# Altium PCB PCB1.PcbDoc
Units mm, origin at the board's own origin, x right, y up, seen from the top; angles counter-clockwise.
Board outline 120 x 80 mm, 2 copper layers (Top Layer, Bottom Layer); 60 components, 44 nets, 220 pads, 0 vias.
Unrouted connection lines stored in the file: 9.
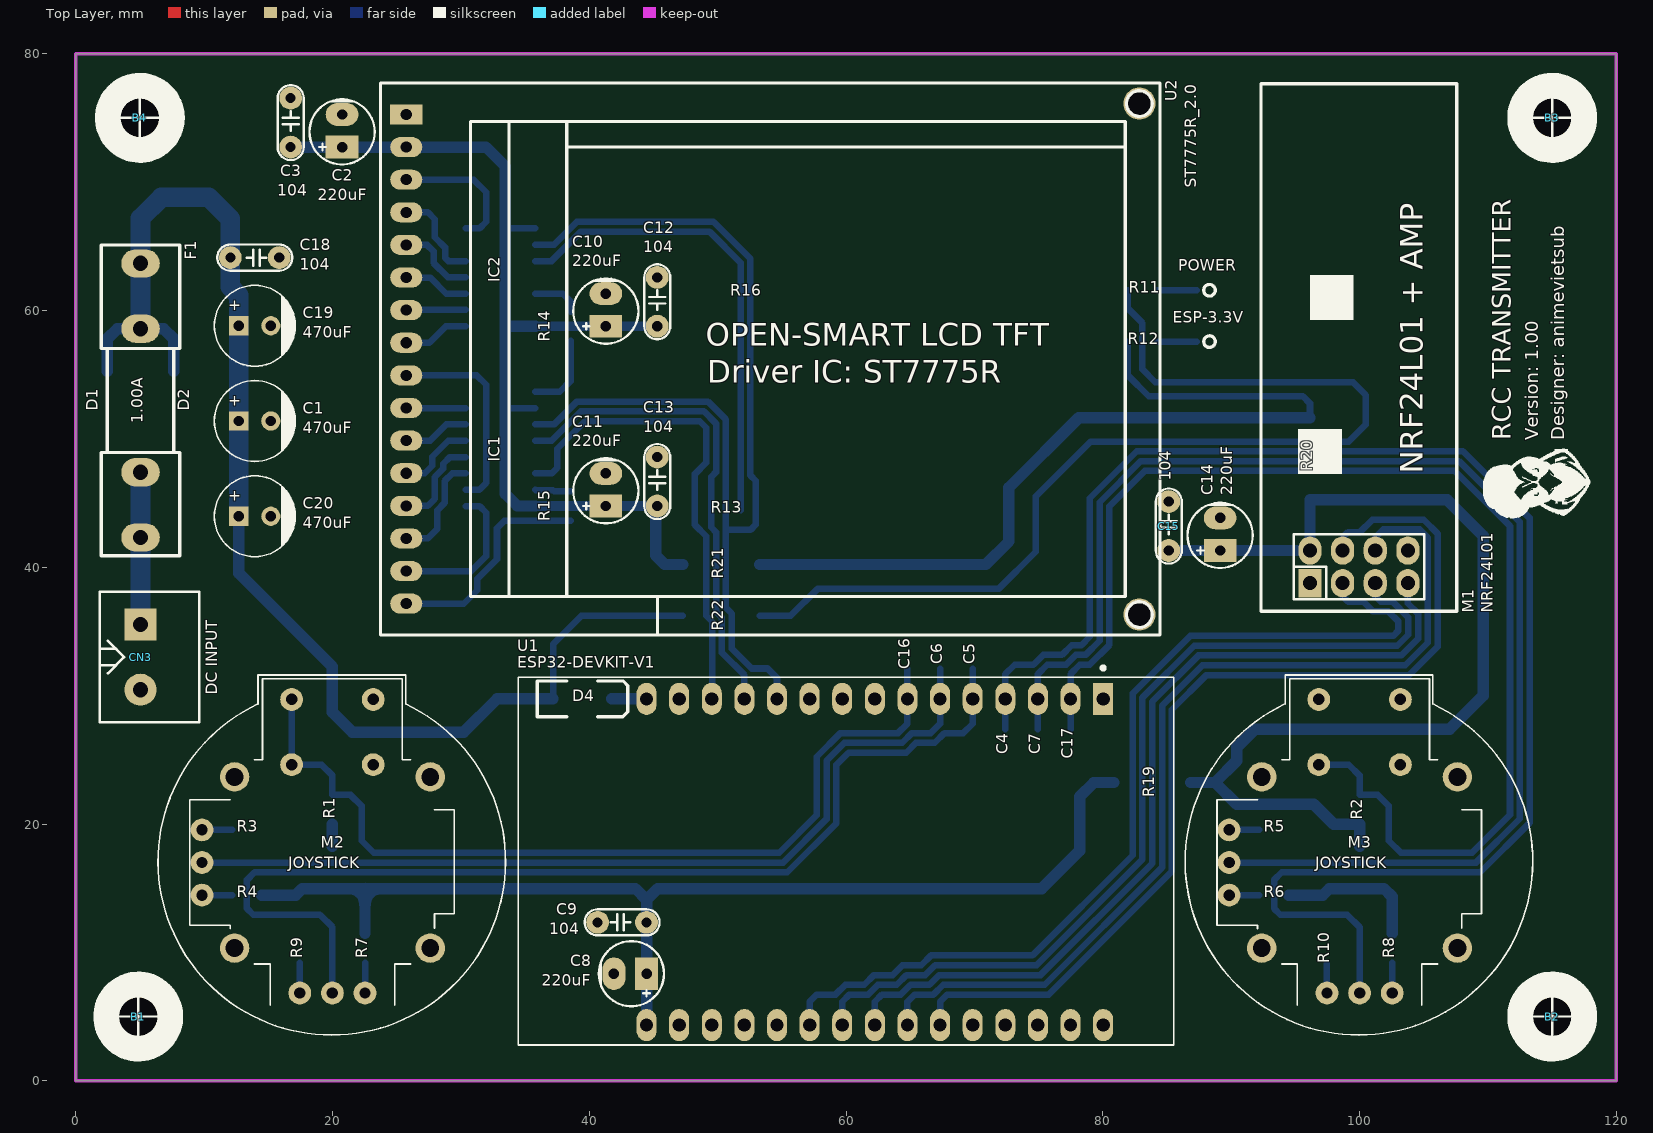
[diagram p0: Top Layer view]
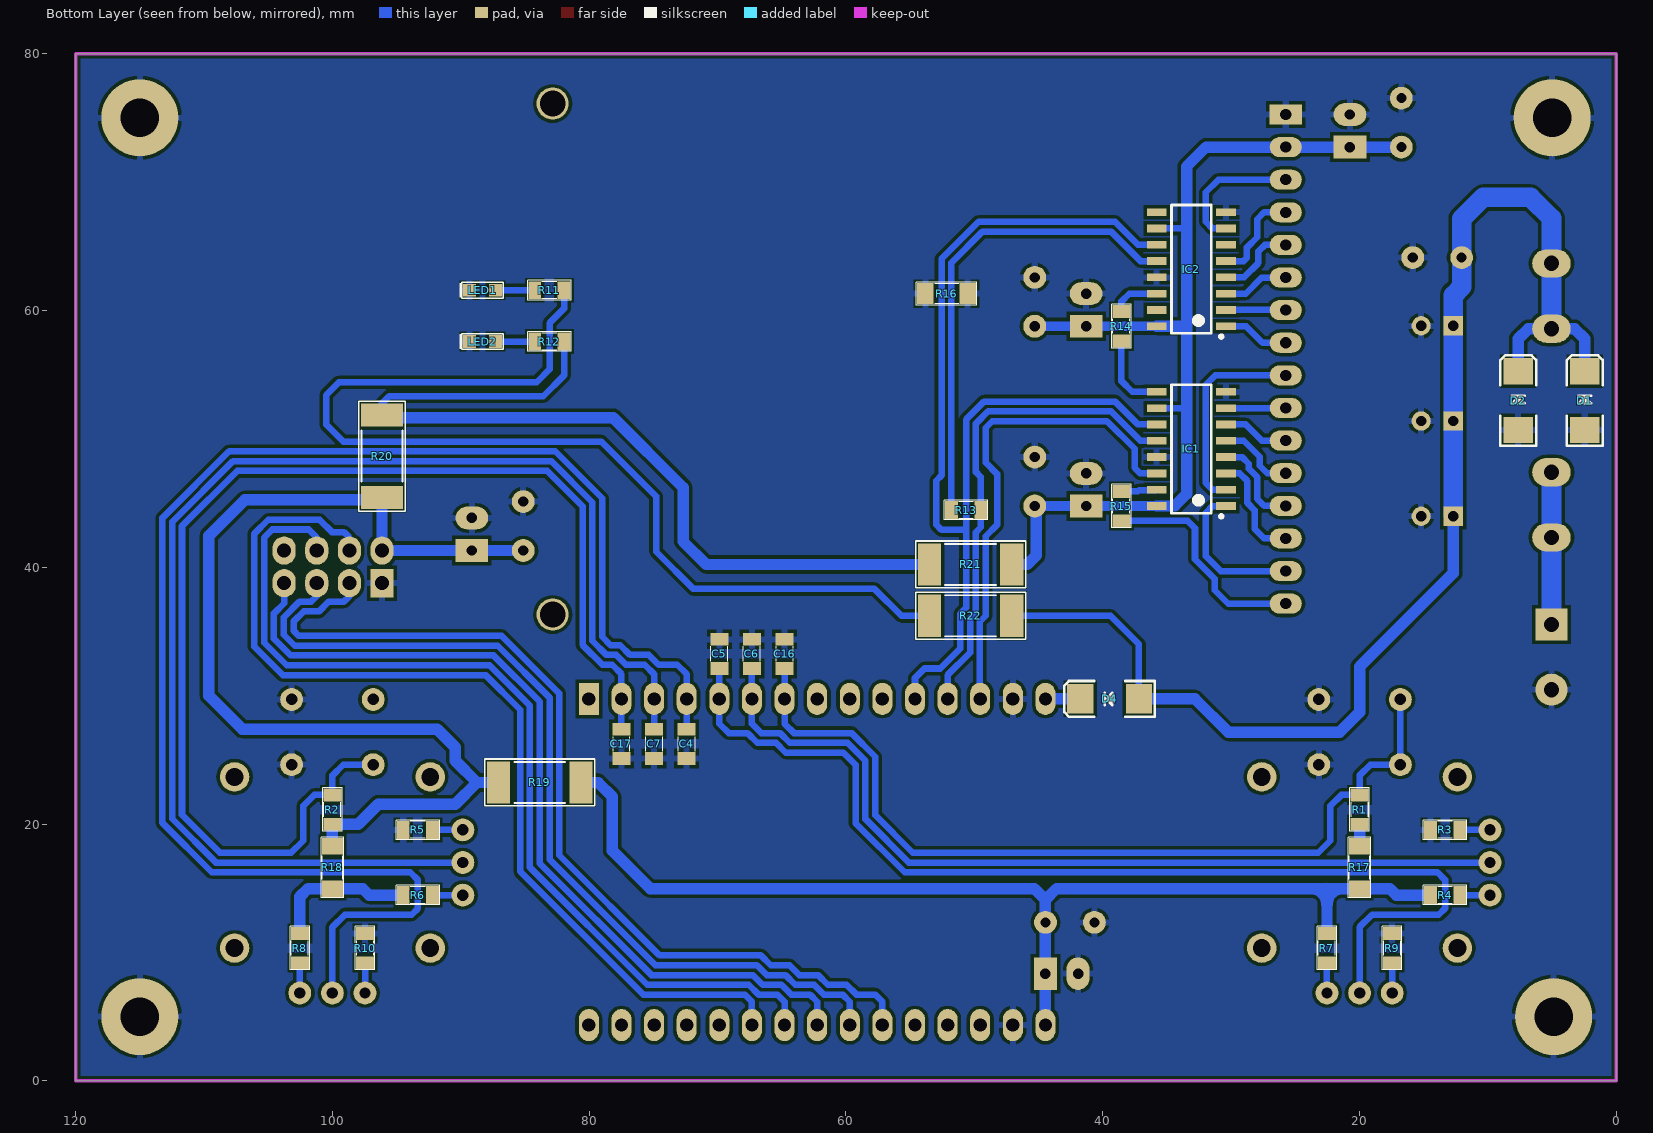
[diagram p1: Bottom Layer view, seen from below]

## Layer stack, top to bottom
Top Solder: solder mask 0.0102, Solder Resist, Dk 3.5
Top Layer: signal copper 0.0356
Dielectric 1: dielectric 0.32, FR-4, Dk 4.8
Bottom Layer: signal copper 0.0356
Bottom Solder: solder mask 0.0102, Solder Resist, Dk 3.5

## Board outline
0,0 120,0 120,80 0,80

## Design rules (kind name [scope] priority, off if disabled: settings)
Clearance [All] p1: gap=0.254 ignorepadtopadclearanceinfootprint=FALSE except(0: Arc-Hole Track-Hole SMDPad-Hole THPad-Hole Via-Hole Fill-Hole Poly-Hole Region-Hole Text-Hole)
PolygonConnect [All] p1: connectstyle=Relief reliefconductorwidth=0.508 reliefentries=4 polygonreliefangle="90 Angle" airgapwidth=0.254
RoutingVias [All] p1: holewidth=0.711 width=1.27 viastyle="Through Hole" minholewidth=0.711 minwidth=1.27 maxholewidth=0.711 maxwidth=1.27
SolderMaskExpansion [All] p1: expansion=0.102
Width [All] p1: maxlimit=1.524 minlimit=0.508 preferedwidth=0.889 minimp=50.000000 maximp=50.000000 favimp=50.000000
30 further rules are at their usual default settings.

## Components (designator, comment, footprint, x,y, rotation, side; value= is the part's Value field where it differs from the comment)
B1 "Plated Hole" MTG300_600 4.88,5 r0 top
B2 "Plated Hole" MTG300_600 115,5 r0 top
B3 "Plated Hole" MTG300_600 115,75 r0 top
B4 "Plated Hole" MTG300_600 5,75 r0 top
C1 "470uF" Cap-P-2.5/6.3 13.953,51.387 r0 top
C2 "220uF" Cap-P-2.5/5 20.75,72.721 r90 top
C3 "104" Cap-Non-150mil 16.75,76.531 r270 top
C4 "104" CAP-SMD-0805 72.407,26.241 r90 bottom
C5 "104" CAP-SMD-0805 69.867,33.241 r270 bottom
C6 "104" CAP-SMD-0805 67.327,33.241 r270 bottom
C7 "104" CAP-SMD-0805 74.947,26.241 r90 bottom
C8 "220uF" Cap-P-2.5/5 44.467,8.341 r180 top
C9 "104" Cap-Non-150mil 40.657,12.341 r0 top
C10 "220uF" Cap-P-2.5/5 41.3,58.766 r90 top
C11 "220uF" Cap-P-2.5/5 41.3,44.766 r90 top
C12 "104" Cap-Non-150mil 45.3,62.576 r270 top
C13 "104" Cap-Non-150mil 45.3,48.576 r270 top
C14 "220uF" Cap-P-2.5/5 89.139,41.3 r90 top
C15 "104" Cap-Non-150mil 85.139,45.11 r270 top
C16 "104" CAP-SMD-0805 64.787,33.241 r270 bottom
C17 "104" CAP-SMD-0805 77.487,26.241 r90 bottom
C18 "104" Cap-Non-150mil 15.858,64.113 r180 top
C19 "470uF" Cap-P-2.5/6.3 13.953,58.804 r0 top
C20 "470uF" Cap-P-2.5/6.3 13.953,43.971 r0 top
CN3 "DC INPUT" KF2/5.08 5.053,33 r270 top
D1 "SS14" "SOD 106" 2.462,52.975 r270 bottom
D2 "SS14" "SOD 106" 7.644,52.975 r270 bottom
D4 "SS14" "SOD 106" 39.467,29.741 r180 bottom
F1 "1.00A" Fuse-Dip1 5.053,53 r90 top
IC1 "SN74HC595D" SOIC127P600X175-16N 33.1,49.211 r0 bottom
IC2 "SN74HC595D" SOIC127P600X175-16N 33.1,63.211 r0 bottom
LED1 "POWER" LED-0805 88.311,61.57 r0 bottom
LED2 "ESP-3.3V" LED-0805 88.311,57.57 r0 bottom
M1 "NRF24L01" NRF24L01P_M 92.323,36.56 r0 top
M2 "JOYSTICK" JOYSTICK 20,17 r0 top
M3 "JOYSTICK" JOYSTICK 100,17 r0 top
R1 "1K" RES-SMD-0805 20,21.12 r270 bottom
R2 "1K" RES-SMD-0805 100,21.12 r270 bottom
R3 "1K" RES-SMD-0805 13.34,19.54 r180 bottom
R4 "1K" RES-SMD-0805 13.34,14.46 r180 bottom
R5 "1K" RES-SMD-0805 93.34,19.54 r180 bottom
R6 "1K" RES-SMD-0805 93.34,14.46 r180 bottom
R7 "1K" RES-SMD-0805 22.54,10.34 r270 bottom
R8 "1K" RES-SMD-0805 102.54,10.34 r270 bottom
R9 "1K" RES-SMD-0805 17.46,10.34 r270 bottom
R10 "1K" RES-SMD-0805 97.46,10.34 r270 bottom
R11 "10K" RES-SMD-0805 83.1,61.57 r180 bottom
R12 "1K" RES-SMD-0805 83.1,57.57 r180 bottom
R13 "0R" RES-SMD-0805 50.647,44.444 r180 bottom
R14 "0R" RES-SMD-0805 38.55,58.766 r270 bottom
R15 "0R" RES-SMD-0805 38.55,44.766 r270 bottom
R16 "0R" RES-SMD-1206 52.171,61.306 r0 bottom
R17 "0R" RES-SMD-1206 20,16.619 r90 bottom
R18 "0R" RES-SMD-1206 100,16.619 r90 bottom
R19 "0R" RES-SMD-2512 83.852,23.233 r180 bottom
R20 "0R" RES-SMD-2512 96.139,48.645 r270 bottom
R21 "0R" RES-SMD-2512 50.287,40.211 r180 bottom
R22 "0R" RES-SMD-2512 50.287,36.211 r180 bottom
U1 "ESP32-DEVKIT-V1" MODULE_ESP32-DEVKITC-32D 60.267,17.041 r270 top
U2 "ST7775R_2.0" LCD_176X220_MODULE 30.75,74.711 r270 top

## Footprints (in the part's own frame and the unit in brackets; to place one, negate y for a bottom-side part, rotate by r counter-clockwise, add the part's x,y. Pads: shape width x height; smd on the part's side, far side on the other; paste and mask are expansions set on the pad)
Cap-Non-150mil [mil]
  round 70 hole 31: 1(0,0) 2(150,0)
  silkscreen extent -40,-40 190,40, body extent -40,-33 190,33, height 235
Cap-P-2.5/5 [mil] "Tu hoa < 22uF/16>50V"
  rect 70x100 hole 32: 1(0,0)
  oval 70x100 hole 32: 2(100,0)
  silkscreen extent -53,-100 147,100, body extent -49,-99 149,99, height 287
Cap-P-2.5/6.3 [mm] "Polarized capacitors, Aluminum Electrolytic Capacitors, 2-Leads, Body 6.3x15x2.5x0.5"
  rect 1.5x1.5 hole 0.8: 1(-1.25,0)
  round 1.5 hole 0.8: 2(1.25,0)
  silkscreen extent -3.15,-3.15 3.15,3.15, body extent -3.12,-3.15 3.17,3.15, height 11
CAP-SMD-0805 [mil]
  rect 39.37x55 smd: 1(-45,0) 2(45,0)
  silkscreen extent -23,-26 22,26, body extent -39,-25 39,25, height 30
Fuse-Dip1 [mm]
  oval 2.2x3 hole 1.2: 1(-10.684,0) 1(-5.604,0) 2(5.579,0) 2(10.659,0)
  silkscreen extent -12.12,-3.05 12.09,3.05, body extent -10.84,-2.95 10.87,2.95, height 9.75
JOYSTICK [mil]
  round 70 hole 35: 1(-400,100) 2(-400,0) 3(-400,-100) 4(-100,-400) 5(0,-400) 6(100,-400)
  round 70 hole 35.43: 7(-125,300) 7(-125,500) 8(125,300) 8(125,500)
  round 90 hole 55: 9(-300,-262.5) 9(-300,262.5) 9(300,-262.5) 9(300,262.5)
  silkscreen extent -535,-529 531,575
KF2/5.08 [mm]
  rect 2.5x2.5 hole 1.2: 1(-2.54,0)
  round 2.5 hole 1.2: 2(2.54,0)
  silkscreen extent -5.08,-3.18 5.08,4.57, body extent -5.6,-3 5,4.6, height 10.1
LCD_176X220_MODULE [mm]
  rect 1.56x2.5 hole 0.864: 1(-0.55,-5)
  oval 1.56x2.5 hole 0.864: 2(1.99,-5) 3(4.53,-5) 4(7.07,-5) 5(9.61,-5) 6(12.15,-5) 7(14.69,-5) 8(17.23,-5) 9(19.77,-5) 10(22.31,-5) 11(24.85,-5) 12(27.39,-5) 13(29.93,-5) 14(32.47,-5) 15(35.01,-5) 16(37.55,-5)
  silkscreen extent -3,-7 40,53.7
LED-0805 [mm]
  rect 1x1 smd mask+0.05: 1(-1,0) 2(1,0)
  silkscreen extent -1.6,-0.61 1.75,0.61, body extent -1.03,-0.45 1.03,0.45, height 0.85
MODULE_ESP32-DEVKITC-32D [mm]
  rect 2.5x1.56 hole 1.04: 1(-12.7,19.76)
  oval 2.5x1.56 hole 1.04: 2(-12.7,17.22) 3(-12.7,14.68) 4(-12.7,12.14) 5(-12.7,9.6) 6(-12.7,7.06) 7(-12.7,4.52) 8(-12.7,1.98) 9(-12.7,-0.56) 10(-12.7,-3.1) 11(-12.7,-5.64) 12(-12.7,-8.18) 13(-12.7,-10.72) 14(-12.7,-13.26) 15(-12.7,-15.8) 16(12.7,-15.8) 17(12.7,-13.26) 18(12.7,-10.72) 19(12.7,-8.18) 20(12.7,-5.64) 21(12.7,-3.1) 22(12.7,-0.56) 23(12.7,1.98) 24(12.7,4.52) 25(12.7,7.06) 26(12.7,9.6) 27(12.7,12.14) 28(12.7,14.68) 29(12.7,17.22) 30(12.7,19.76)
  silkscreen extent -15.25,-25.81 14.25,25.27, body extent -14.33,-25.73 14.17,25.2, height 10.16
MTG300_600 [mm] "Plated Through Hole: Hole Dia.=3.0mm Pad Dia.=6.0mm"
  round 6 hole 3: 1(0,0)
NRF24L01P_M [mm]
  rect 1.8x2.2 hole 1.1: 1(3.815,2.2)
  oval 1.8x2.2 hole 1.1: 2(3.815,4.74) 3(6.355,2.2) 4(6.355,4.74) 5(8.895,2.2) 6(8.895,4.74) 7(11.435,2.2) 8(11.435,4.74)
  silkscreen extent 0,0 15.25,41.1, body extent 0,0 15.25,74, height 7.39
RES-SMD-0805 [mil]
  rect 39.37x55 smd mask+1.97: 1(-45,0) 2(45,0)
  silkscreen extent -67,-30 67,30, body extent -45,-27 45,27, height 30
RES-SMD-1206 [mil]
  rect 50x65 smd: 1(-65,0) 2(65,0)
  silkscreen extent -93,-35 93,35, body extent -63,-31 63,31, height 24
RES-SMD-2512 [mm] "Chip Capacitor, Body 3.2x2.5mm, IPC Medium Density"
  rect 1.8x3.3 smd: 1(-3.2,0) 2(3.2,0)
  silkscreen extent -4.28,-1.83 4.28,1.83, body extent -3.2,-1.6 3.2,1.6, height 0.6
"SOD 106" [mil]
  rect 80x90.55 smd: 1(90,0) 2(-90,0)
  silkscreen extent -139,-55 138,55, body extent -98,-51 98,51, height 79
SOIC127P600X175-16N [mm] "SOIC 16, Pitch 1.27mm - Body 4x10mm, IPC Medium Density"
  rect 1.55x0.6 smd: 1(-2.7,4.445) 2(-2.7,3.175) 3(-2.7,1.905) 4(-2.7,0.635) 5(-2.7,-0.635) 6(-2.7,-1.905) 7(-2.7,-3.175) 8(-2.7,-4.445) 9(2.7,-4.445) 10(2.7,-3.175) 11(2.7,-1.905) 12(2.7,-0.635) 13(2.7,0.635) 14(2.7,1.905) 15(2.7,3.175) 16(2.7,4.445)
  silkscreen extent -2.45,-5 1.55,5.37, body extent -3.1,-5 3.1,5, height 1.75

## Part data
B1 B2 B3 B4: library part PLATED_HOLE3.0_PAD6.0, "Single Terminal Socket", Author="CERN DEM JLC", ComponentHeight=0mm, Component Type="Standard (No BOM)", CreateDate=5/26/2008, Family="Plated Hole", HelpURL=Undefined, LatestRevisionDate=5/26/2008, Mounted=No, PackageDescription="Plated Through Hole: Hole Dia.=3.0mm Pad Dia.=6.0mm", Part Description="Plated Through Hole: Hole Dia.=3.0mm Pad Dia.=6.0mm", Part Number=PLATED_HOLE3.0_PAD6.0, Pin Count=1, Sense=No, SMD=No, Socket=No, Status=None
C1 C2 C8 C10 C11 C14 C19 C20: library part Cap-Pol-Dip, "Polarized capacitor"
C3 C9 C12 C13 C15 C18: library part Cap-Non-Dip, "Non-polar capacitor"
C4 C5 C6 C7 C16 C17: library part Cap-Non-SMD, "Non-polar capacitor"
CN3: library part "KF 2"
D1 D2 D4: library part "Diode SMD", "Diode SMD"
F1: library part "Fuse Dip"
IC1 IC2: "8-Bit Shift Register With 3-State Output Register", Case=SOIC16, Manufacturer="TEXAS INSTRUMENTS", Author="CERN DEM JLC", Bonding=No, ComponentHeight=1.75mm, Component Type=Standard, CreateDate=6/5/2012, Device=SN74HC595D, HelpURL=\\cern.ch\dfs\Applications\Altium\Datasheets\SN74HC595D.pdf, LatestRevisionDate=6/5/2012, Manufacturer Part Number=SN74HC595D, Mounted=Yes, PackageDescription="SOIC 16, Pitch 1.27mm - Body 4x10mm, IPC Medium Density", Part Description="8-Bit Shift Register With 3-State Output Registers", Part Number=SN74HC595D, Pin Count=16, PressFit=No, Sense=No, SMD=Yes, Socket=No
LED1 LED2: library part LED_SMD
R1 R2 R3 R4 R5 R6 R7 R8 R9 R10 R11 R12 R13 R14 R15 R16 R17 R18 R19 R20 R21 R22: library part "Res SMD", "Resistor SMD"
U1: "- Transceiver; 802.11 b/g/n _Wi-Fi, WiFi, WLAN_, Bluetooth® Smart Ready 4.x Dual Mode For Use With ESP-WROOM-32", Package=None, Availability=Unavailable, MF="Espressif Systems", MP=ESP32-DEVKITC-32D, Price=None, SnapEDA_Link=https://www.snapeda.com/parts/ESP32-DEVKITC-32D/Espressif%20Systems/view-part/2777395/?ref=snap
U2: library part LCD_176x220_ST7775R, ComponentLink1Description=Wiki, ComponentLink1URL=http://www.lcdwiki.com/2.8inch_SPI_Module_ILI9341_SKU:MSP2807

## Free pads (board coordinates)
  round 2.5 hole 2: 2(82.85,36.311) 2(82.85,76.111)

## Nets (pads, with @x,y where several pads share a name; then routed paths per layer and width w, separated by ;. In a path a pad name is that pad's centre, name@x,y a point inside that pad or via, vN(x,y) a via of type N, cw(c..) or ccw(c..) an arc to the next point about the centre after c; other vN are vias at no path point)
+3.3V: C2.1 C3.2 C8.1 C9.2 C10.1 C11.1 C12.2 C13.2 C14.1 C15.2 IC1.10 IC1.16 IC2.10 IC2.16 M1.2 R1.2 R2.2 R4.1 R6.1 R7.1 R8.1 R12.2 R17.1 R17.2 R18.1 R18.2 R19.1 R19.2 R20.1 R20.2 R21.1 R21.2 U1.16 U2.2 | length 328.8
  Bottom Layer w0.508: 33.476,52.386 IC1.10 ; 33.476,66.386 IC2.10 ; R12.2 81.957,54.941 83.587,53.311 95.587,53.311 96.139,52.76 R20.1@96.139,51.645
  Bottom Layer w0.762: IC1.16 C11.1 C13.2 ; IC2.16 C10.1 C12.2
  Bottom Layer w0.889: R4.1 17.145,14.46 17.653,14.968 R17.1 22.54,14.968 ; C3.2 C2.1 U2.2 31.956,72.721 33.476,71.202 33.476,66.386 33.476,58.766 ; R17.2 R1.2 ; R7.1 22.54,14.968 ; IC1.16 34.411,44.766 33.476,45.702 33.476,52.386 33.476,58.766 ; IC2.16 33.476,58.766 ; U1.16 C8.1 C9.2 44.467,14.101 ; C13.2 45.187,44.653 45.187,40.911 45.887,40.211 R21.2@47.287,40.211 ; R21.1@53.287,40.211 70.887,40.211 72.687,42.011 72.687,46.211 78.12,51.645 R20.1@96.139,51.645 ; R19.2@80.852,23.233 79.308,23.233 78.214,22.139 78.214,17.929 75.253,14.968 45.333,14.968 44.467,14.101 ; C15.2 C14.1 M1.2 96.139,45.241 106.827,45.241 109.627,42.441 109.627,30.002 107.009,27.384 91.84,27.384 90.427,25.971 90.427,24.924 88.735,23.233 ; R19.1@86.852,23.233 88.735,23.233 ; R6.1 97.145,14.46 97.653,14.968 R18.1 101.9,14.968 102.54,14.328 R8.1 ; R18.2 R2.2 97.991,19.977 96.427,21.541 90.427,21.541 88.735,23.233 ; 22.54,14.968 43.6,14.968 44.467,14.101
+5V: C1.1 C18.2 C19.1 C20.1 D1.2 D2.2 D4.1 F1.2 R11.2 R22.1 R22.2 | length 186.8
  Bottom Layer w0.508: D4.1 37.181,34 39.392,36.211 R22.2@47.287,36.211 ; R22.1@53.287,36.211 55.687,36.211 57.787,38.311 71.887,38.311 74.787,41.211 74.787,45.511 79.063,49.788 99.163,49.788 100.487,51.111 100.487,53.411 99.487,54.411 84.087,54.411 83.087,55.411 83.087,59.011 81.957,60.141 R11.2
  Bottom Layer w0.889: D1.2 2.462,57.788 3.253,58.579 5.053,58.579 6.853,58.579 7.644,57.788 D2.2 ; C20.1 12.703,39.542 20,32.245 20,28.702 21.542,27.16 30.236,27.16 32.817,29.741 D4.1
  Bottom Layer w1.524: F1.2@5.053,58.579 5.053,63.659 5.053,67.179 6.676,68.802 10.376,68.802 12.048,67.13 C18.2 12.048,61.834 12.703,61.179 C19.1 C1.1 C20.1
B1: C17.2 M3.7 R2.1 U1.2 | length 97.1
  Bottom Layer w0.508: C17.2 U1.2 77.487,31.674 78.214,32.402 78.97,32.402 80.517,33.948 80.517,44.741 83.277,47.502 107.422,47.502 111.715,43.208 111.715,20.717 108.76,17.762 103.217,17.762 102.277,18.702 102.277,21.402 101.416,22.263 R2.1 100,23.778 99.158,24.62 M3.7@96.825,24.62
B2: C16.2 M2.7 R1.1 U1.7 | length 69.5
  Bottom Layer w0.508: M2.7@16.825,29.7 16.825,24.62 19.158,24.62 20,23.778 R1.1 21.416,22.263 22.277,21.402 22.277,18.702 23.217,17.762 54.792,17.762 57.727,20.696 57.727,25.241 59.566,27.081 64.059,27.081 64.787,27.808 U1.7 C16.2
CE_NRF: M1.3 U1.21 | length 73.9
  Bottom Layer w0.508: U1.21 57.167,6.151 57.727,6.711 59.189,6.711 59.951,7.473 61.414,7.473 62.176,8.235 63.638,8.235 64.4,8.997 65.862,8.997 66.624,9.759 74.523,9.759 82.328,17.564 82.328,30.164 86.814,34.65 102.614,34.65 103.028,35.064 103.028,35.772 102.242,36.558 101.042,36.558 100.28,37.32 99.106,37.32 98.679,37.748 M1.3
CSN_NRF: M1.4 U1.25 | length 77.6
  Bottom Layer w0.508: U1.25 67.327,6.151 67.887,6.711 75.786,6.711 85.376,16.302 85.376,28.902 88.076,31.602 103.876,31.602 106.076,33.802 106.076,42.624 105,43.7 101,43.7 100.04,42.74 99.106,42.74 98.679,42.312 M1.4
CX: C5.2 M2.5 U1.5 | length 83.1
  Bottom Layer w0.508: M2.5 20,11.968 19.027,12.941 13.827,12.941 13.34,13.428 13.34,15.641 13.937,16.238 55.423,16.238 59.251,20.065 59.251,24.61 60.198,25.557 64.691,25.557 65.453,26.319 66.915,26.319 67.677,27.081 69.139,27.081 69.867,27.808 U1.5 C5.2
CY: C6.2 M2.2 U1.6 | length 68.9
  Bottom Layer w0.508: M2.2 55.108,17 58.489,20.381 58.489,24.926 59.882,26.319 64.375,26.319 65.137,27.081 66.599,27.081 67.327,27.808 U1.6 C6.2
GND: B1.1 B2.1 B3.1 B4.1 C1.2 C2.2 C3.1 C4.1 C5.1 C6.1 C7.1 C8.2 C9.1 C10.2 C11.2 C12.1 C13.1 C14.2 C15.1 C16.1 C17.1 C18.1 C19.2 C20.2 CN3.2 D1.1 D2.1 IC1.8 IC1.13 IC2.8 IC2.13 LED1.2 LED2.2 M1.1 M2.8 M3.8 R3.1 R5.1 R9.1 R10.1 R16.1 R16.2 U1.14 U1.17 U2.1
LCD_CS: IC2.7 U2.3 | length 10.7
  Bottom Layer w0.508: U2.3 30.997,70.181 31.977,69.202 31.977,66.91 31.453,66.386 IC2.7
LCD_DB0: IC1.2 U2.9 | length 16
  Bottom Layer w0.508: U2.9 31.237,54.941 31.977,54.202 31.977,46.56 31.453,46.036 IC1.2
LCD_DB1: IC1.7 U2.10 | length 4.7
  Bottom Layer w0.508: U2.10 25.765,52.386 IC1.7
LCD_DB2: IC1.6 U2.11 | length 5.2
  Bottom Layer w0.508: U2.11 27.616,49.861 28.871,51.116 IC1.6
LCD_DB3: IC1.5 U2.12 | length 6.1
  Bottom Layer w0.508: U2.12 27.196,47.321 27.776,47.902 27.776,48.602 29.021,49.846 IC1.5
LCD_DB4: IC1.4 U2.13 | length 7.4
  Bottom Layer w0.508: U2.13 27.436,44.781 27.976,45.321 27.976,47.024 28.638,47.686 28.638,48.064 29.151,48.576 IC1.4
LCD_DB5: IC1.3 U2.14 | length 8.6
  Bottom Layer w0.508: U2.14 27.416,42.241 28.176,43.002 28.176,44.444 28.738,45.006 28.738,46.708 29.336,47.306 IC1.3
LCD_DB6: IC1.1 U2.15 | length 11.9
  Bottom Layer w0.508: U2.15 30.814,39.701 31.977,40.865 31.977,44.243 31.453,44.766 IC1.1
LCD_DB7: IC1.15 R15.1 R15.2 U2.16 | length 20.2
  Bottom Layer w0.508: U2.16 30.236,37.161 31.276,38.202 31.276,39.086 32.817,40.627 32.817,43.042 33.399,43.623 R15.2 ; IC1.15 35.835,46.002 37.177,46.002 37.269,45.909 R15.1
LCD_EXT: IC1.9 IC2.14 R14.1 R14.2 | length 10
  Bottom Layer w0.508: IC2.14 37.945,61.306 38.55,60.702 R14.1 ; IC1.9@35.807,53.664 IC1.9 37.705,53.656 38.55,54.502 R14.2
LCD_LED: IC2.1 U2.8 | length 5.2
  Bottom Layer w0.508: U2.8 27.556,57.481 28.841,58.766 IC2.1
LCD_RD: IC2.3 U2.6 | length 5.2
  Bottom Layer w0.508: U2.6 27.616,62.561 28.871,61.306 IC2.3
LCD_RS: IC2.5 U2.4 | length 7.5
  Bottom Layer w0.508: U2.4 27.436,67.641 27.976,67.102 27.976,65.702 28.776,64.902 28.776,64.102 29.031,63.846 IC2.5
LCD_RST: IC2.2 U2.7 | length 4.7
  Bottom Layer w0.508: U2.7 25.765,60.036 IC2.2
LCD_WR: IC2.4 U2.5 | length 6.2
  Bottom Layer w0.508: U2.5 27.376,65.101 27.876,64.602 27.876,63.702 29.001,62.576 IC2.4
MISO_NRF: M1.7 U1.23 | length 67.9
  Bottom Layer w0.508: U1.23 62.247,6.151 62.807,6.711 64.269,6.711 65.031,7.473 66.494,7.473 67.256,8.235 75.155,8.235 83.852,16.933 83.852,29.533 87.445,33.126 103.245,33.126 104.552,34.433 104.552,36.403 103.759,37.197 M1.7
MOSI_NRF: M1.6 U1.24 | length 75.1
  Bottom Layer w0.508: U1.24 64.787,6.151 65.347,6.711 66.809,6.711 67.571,7.473 75.47,7.473 84.614,16.617 84.614,29.217 87.76,32.364 103.56,32.364 105.314,34.117 105.314,42.308 104.684,42.938 101.844,42.938 101.219,42.312 M1.6
MX: C4.2 M3.5 U1.4 | length 120.9
  Bottom Layer w0.508: C4.2 U1.4 72.407,31.674 73.134,32.402 74.596,32.402 75.358,33.164 76.821,33.164 77.583,33.926 78.339,33.926 78.993,34.579 78.993,45.373 82.646,49.026 108.053,49.026 113.239,43.84 113.239,20.086 109.391,16.238 93.937,16.238 93.34,15.641 93.34,13.428 93.827,12.941 99.027,12.941 100,11.968 M3.5
MY: C7.2 M3.2 U1.3 | length 104.1
  Bottom Layer w0.508: C7.2 U1.3 74.947,31.674 75.674,32.402 77.136,32.402 77.898,33.164 78.655,33.164 79.755,34.264 79.755,45.057 82.961,48.264 107.737,48.264 112.477,43.524 112.477,20.402 109.075,17 M3.2
NetCN3_1: CN3.1 F1.1 | length 11.9
  Bottom Layer w1.524: CN3.1 5.053,42.316 F1.1@5.053,47.396
NetD4_2: D4.2 U1.15 | length 2.7
  Bottom Layer w0.889: D4.2 U1.15
NetLED1_1: LED1.1 R11.1 | length 3.1
  Bottom Layer w0.508: R11.1 LED1.1
NetLED2_1: LED2.1 R12.1 | length 3.1
  Bottom Layer w0.508: R12.1 LED2.1
NetM2_1: M2.1 R3.2 | length 2.4
  Bottom Layer w0.508: M2.1 R3.2
NetM2_3: M2.3 R4.2 | length 2.4
  Bottom Layer w0.508: M2.3 R4.2
NetM2_4: M2.4 R9.2 | length 2.4
  Bottom Layer w0.508: M2.4 R9.2
NetM2_6: M2.6 R7.2 | length 2.4
  Bottom Layer w0.508: M2.6 R7.2
NetM3_1: M3.1 R5.2 | length 2.4
  Bottom Layer w0.508: M3.1 R5.2
NetM3_3: M3.3 R6.2 | length 2.4
  Bottom Layer w0.508: M3.3 R6.2
NetM3_4: M3.4 R10.2 | length 2.4
  Bottom Layer w0.508: M3.4 R10.2
NetM3_6: M3.6 R8.2 | length 2.4
  Bottom Layer w0.508: M3.6 R8.2
SCK_NRF: M1.5 U1.22 | length 70.7
  Bottom Layer w0.508: U1.22 59.707,6.151 60.267,6.711 61.729,6.711 62.491,7.473 63.954,7.473 64.716,8.235 66.178,8.235 66.94,8.997 74.839,8.997 83.09,17.248 83.09,29.848 87.129,33.888 102.929,33.888 103.79,34.748 103.79,36.088 102.557,37.32 101.646,37.32 101.219,37.748 M1.5
SPI_CLK: IC1.11 IC2.11 U1.11 | length 82.4
  Bottom Layer w0.508: IC1.11 37.258,51.116 39.043,52.902 49.247,52.902 50.647,51.502 50.647,42.902 ; IC2.11 37.258,65.116 39.043,66.902 49.677,66.902 52.552,64.027 52.552,47.15 52.977,46.725 52.977,43.327 52.552,42.902 50.647,42.902 ; U1.11 54.627,31.372 53.887,32.111 52.651,32.111 51.101,33.662 51.101,36.387 50.647,36.841 50.647,42.902
SPI_CS: IC1.12 IC2.12 R13.1 R13.2 U1.12 | length 75.3
  Bottom Layer w0.508: IC1.12 37.066,49.846 39.359,52.14 48.931,52.14 49.885,51.186 49.885,47.41 49.504,47.029 R13.2 49.504,43.105 49.885,42.724 49.885,36.526 50.339,36.072 50.339,33.346 52.087,31.598 U1.12 ; IC2.12 37.066,63.846 39.359,66.14 49.361,66.14 51.79,63.711 R13.1
SPI_MOSI: IC1.14 U1.13 | length 38.2
  Bottom Layer w0.508: IC1.14 37.086,47.306 37.514,47.735 37.514,49.217 39.674,51.378 48.616,51.378 49.123,50.87 49.123,48.155 48.234,47.266 48.234,43.297 49.123,42.408 49.123,36.21 49.577,35.756 49.577,29.772 U1.13
pads on no net: IC2.6 IC2.9 IC2.15 M1.8 M2.9 M3.9 U1.1 U1.8 U1.9 U1.10 U1.18 U1.19 U1.20 U1.26 U1.27 U1.28 U1.29 U1.30

## Polygon pours and split planes (outlines as drawn)
GND on Bottom Layer "GLOBAL_GND" (solid, remove dead copper, pour order 0): 0,80 0,0 120,0 120,80

## Keep-outs
Keep-Out Layer:
  the board outline again, w0.254

## Silkscreen, mask and mechanical layers (free items; w line width, h text height)
Top Overlay:
  drawing of 25 lines, arcs and shapes, not listed
  text "RCC TRANSMITTER" at 112.276,49.902 h2.5 r90
  text "Version: 1.00" at 114.276,49.902 h1.75 r90
  text "Designer: animevietsub" at 116.276,49.902 h1.75 r90

## Text inside footprints (layer, text, board x,y; h text height)
C1: Top Overlay "+" at 11.87,52.276 h1.5
C19: Top Overlay "+" at 11.87,59.693 h1.5
C20: Top Overlay "+" at 11.87,44.86 h1.5
M1: Top Overlay "NRF24L01 + AMP" at 105.523,47.26 h3 r90
U2: Top Overlay "OPEN-SMART LCD TFT" at 49.076,56.679 h3; Top Overlay "Driver IC: ST7775R" at 49.176,53.802 h3